# Altium PCB NC1-1A-BASIS.PcbDoc (part 3 of 3)
Units mm, origin at the board's own origin, x right, y up, seen from the top; angles counter-clockwise.
Board outline 78 x 78 mm, 4 copper layers (Top Layer, Mid 1 (GND), Mid 2 (PWR), Bottom Layer), stack 1.586 mm thick; 269 components, 129 nets, 757 pads, 208 vias.
Unrouted connection lines stored in the file: 194.
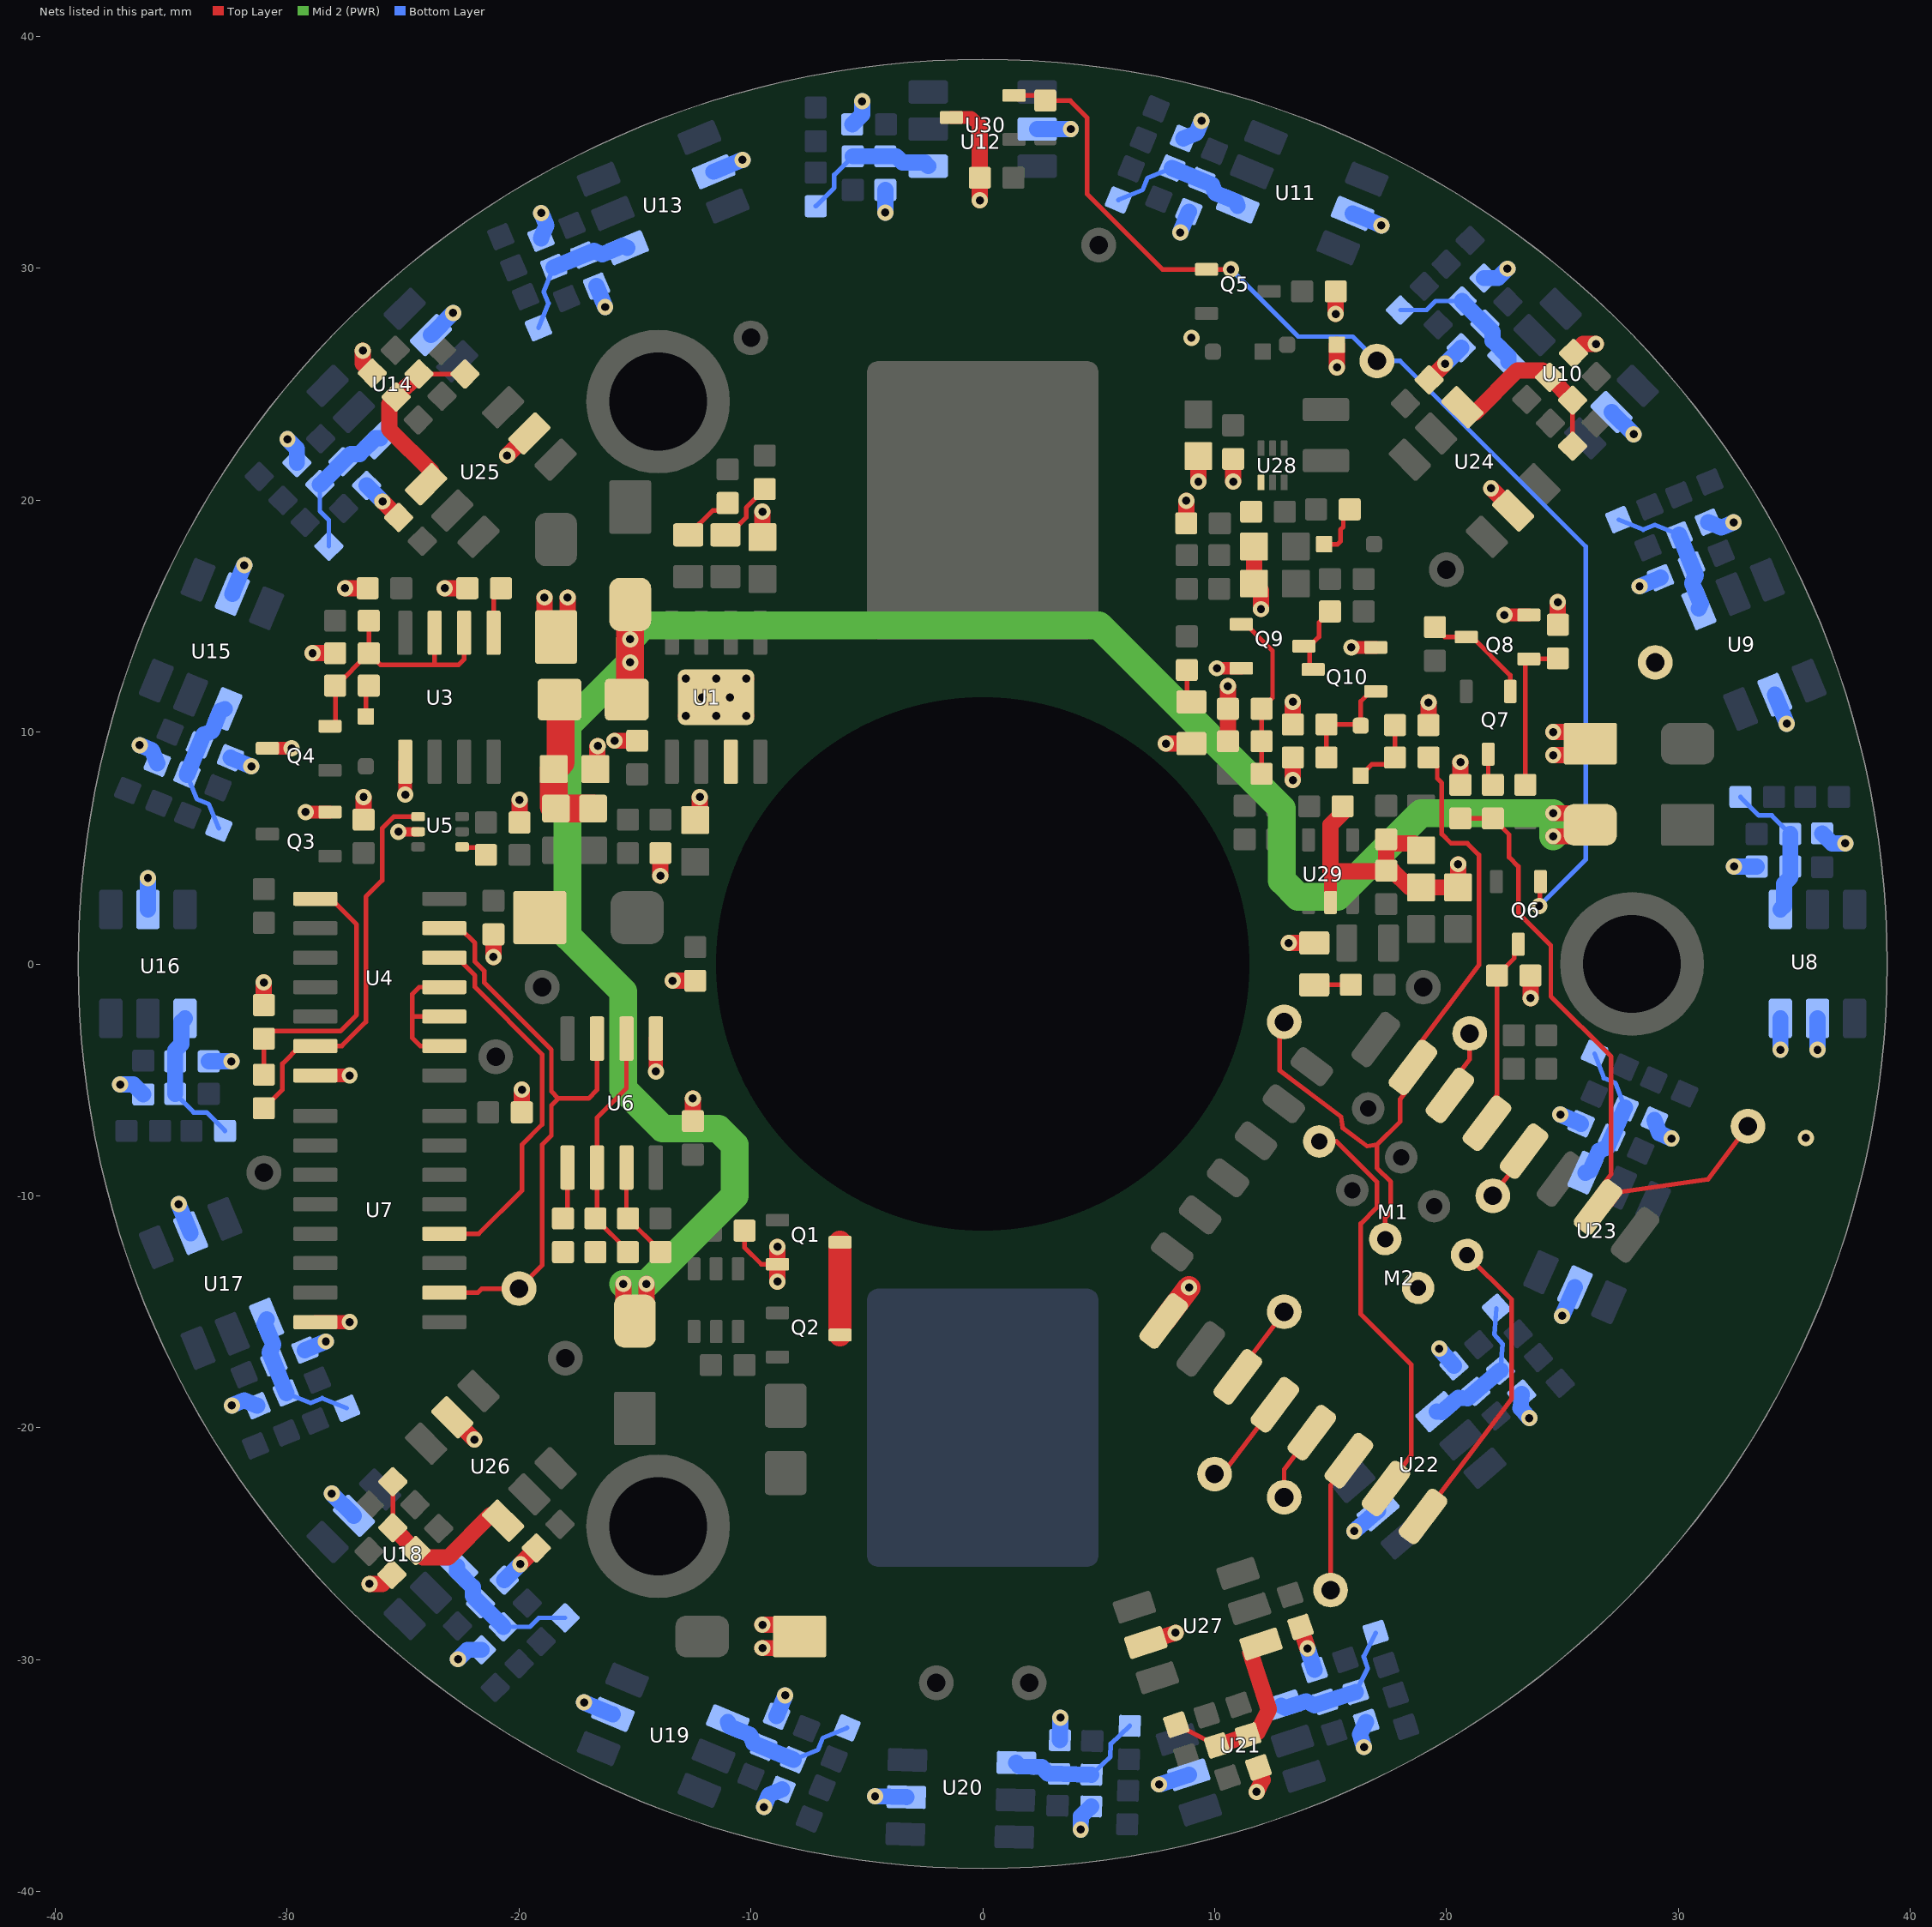
[diagram p5: the nets of this part, all layers, seen from the top]

## Via types
v1: diameter 0.7, hole 0.35, Top Layer to Bottom Layer, tented both sides, 200 vias
v2: diameter 0.7, hole 0.35, Top Layer to Bottom Layer, 8 vias

## Nets (pads, with @x,y where several pads share a name; then routed paths per layer and width w, separated by ;. In a path a pad name is that pad's centre, name@x,y a point inside that pad or via, vN(x,y) a via of type N, cw(c..) or ccw(c..) an arc to the next point about the centre after c; other vN are vias at no path point) (continued)
FS_PULSE: TP13.1 U4.13 U6.3 U7.10 | length 26
  Top Layer w0.2: U7.10@-23.22,-14.175 -21.775,-14.175 -21.6,-14 TP13.1@-20,-14 -19,-13 -19,-7.8 -18.6,-7.4 -18.6,-6.1 -18.3,-5.8 ; U4.13@-23.22,1.54 -22.54,1.54 -21.9,0.9 -21.9,0.1 -21.5,-0.3 -21.5,-0.8 -18.6,-3.7 -18.6,-5.5 -18.3,-5.8 ; U6.3@-16.635,-3.22 -16.635,-5.435 -17,-5.8 -18.3,-5.8
FS_RESET/: U4.12 U7.12 | length 16.6
  Top Layer w0.2: U7.12@-23.22,-11.635 -21.735,-11.635 -19.875,-9.775 -19.875,-7.8 -19,-6.925 -19,-3.9 -21.9,-1 -21.9,-0.5 -22.67,0.27 U4.12@-23.22,0.27
GND: C1.2 C2.2 C3.2 C5.2 C6.2 C7.2 C8.2 C9.2 C10.2 C11.2 C12.2 C13.2 C14.2 C15.2 C16.2 C17.2 C18.2 C19.2 C20.2 C21.2 C22.2 C23.2 C24.2 C25.2 C26.2 C27.2 C28.2 C29.2 C30.2 C31.2 C32.2 C33.2 C34.2 C35.2 C36.2 C37.2 C38.2 C39.2 C40.2 C41.2 C42.2 C43.2 C44.2 C45.2 C46.2 C47.2 C48.2 C49.2 C50.2 C51.2 C52.2 C53.2 C54.2 C56.2 C57.1 C59.1 C60.2 C61.2 C62.2 C63.1 C64.1 C65.2 C66.2 C68.2 C69.2 C71.2 D4.2 D7.2 D8.2 D9.2 D13.2 D14.1 D15.1 M1.1@18.778,-13.969 M2.15 Q1.2 Q3.2 Q4.3 Q8.2 Q9.2 Q10.2 R6.2 R7.2 R8.2 R9.2 R16.1 R83.1 R84.2 R86.2 R92.2 R95.2 R96.2 R97.2 R98.2 R99.2 TP20.1 U1.3 U1.EP U3.1@-24.905,8.72 U4.7 U5.2 U6.1@-14.095,-3.22 U7.8 U8.5 U8.6 U9.5 U10.5 U11.5 U12.5 U13.5 U14.5 U15.5 U16.5 U17.5 U18.5 U19.5 U20.5 U21.5 U22.5 U23.5 U24.5 U25.5 U26.5 U27.5 U28.4 U29.2 U30.3 | length 159.1
  Top Layer w0.2: R9.2@-10.275,-11.5 -10.275,-12.225 -9.55,-12.95 Q1.2@-8.85,-12.95
  Top Layer w0.4: v1(-25.2,5.7) U5.2@-24.35,5.7
  Top Layer w0.55: Q4.3@-30.85,9.3 v1(-29.8,9.3) ; v1(-29.2,6.55) Q3.2@-28.15,6.55 ; U30.3@-1.35,36.5 -0.5,36.5 -0.125,36.125 ; v1(10.1,12.75) Q9.2@11.15,12.75 ; U29.2@15,2.65 15,4 ; v1(15.9,13.65) Q10.2@16.95,13.65 ; v1(22.5,15.05) Q8.2@23.55,15.05
  Top Layer w0.6: U7.8@-28.78,-15.445 v1(-27.3,-15.445) ; U4.7@-28.78,-4.81 v1(-27.3,-4.81) ; v1(-24.905,7.3) U3.1@-24.905,8.72 ; v1(-14.095,-4.64) U6.1@-14.095,-3.22
  Top Layer w0.7: C7.2@-31,-1.775 v1(-31,-0.8) ; v1(-28.9,13.4) C10.2@-27.925,13.4 ; v1(-27.5,16.2) C5.2@-26.525,16.2 ; v1(-26.729,26.446) -26.729,25.88 C50.2@-26.322,25.474 ; R16.1@-26.7,6.225 v1(-26.7,7.2) ; v1(-26.446,-26.729) -25.88,-26.729 C52.2@-25.474,-26.322 ; v1(-25.88,19.94) C49.2@-25.191,19.251 ; v1(-23.2,16.2) C6.2@-22.225,16.2 ; U26.5@-22.875,-19.552 v1(-21.92,-20.506) ; v1(-21.1,0.3) C8.2@-21.1,1.275 ; v1(-20.506,21.92) U25.5@-19.552,22.875 ; C9.2@-19.975,6.1 v1(-19.975,7.075) ; v1(-19.94,-25.88) C51.2@-19.251,-25.191 ; C14.2@-19.875,-6.4 v1(-19.875,-5.425) ; v1(-18.9,15.8) -18.9,14.6 D8.2@-18.4,14.1 -17.9,14.6 v1(-17.9,15.8) ; C1.2@-16.7,8.4 -16.627,8.473 -16.627,9.373 v1(-16.6,9.4) ; v1(-15.875,9.625) R7.2@-14.9,9.625 ; v1(-13.9,3.8) R8.2@-13.9,4.775 ; v1(-13.375,-0.725) R6.2@-12.4,-0.725 ; v2(-12.8,10.7) U1.EP@-12,11.5 ; v2(-12.8,12.3) U1.EP@-12,11.5 ; C13.2@-12.5,-6.775 v1(-12.5,-5.8) ; C3.2@-12.4,6.2 -12.2,6.4 v1(-12.2,7.2) ; v2(-11.5,10.7) U1.EP@-11.5,11.5 ; v2(-11.5,12.3) U1.EP@-11.5,11.5 ; v2(-10.2,10.7) U1.EP@-11,11.5 ; v2(-10.2,12.3) U1.EP@-11,11.5 ; v1(-9.5,-29.5) -8.4,-29.5 D9.2@-7.9,-29 -8.4,-28.5 v1(-9.5,-28.5) ; C2.2@-9.5,18.4 v1(-9.5,19.5) ; v1(-8.85,-13.7) Q1.2@-8.85,-12.95 v1(-8.85,-12.2) ; v1(-0.125,32.925) C68.2@-0.125,33.9 -0.125,36.125 ; U27.5@7.036,-29.258 v1(8.319,-28.841) ; v1(7.9,9.5) D14.1@9,9.5 ; R83.1@8.775,19 v1(8.775,19.975) ; v1(9.3,20.8) C56.2@9.3,21.9 ; R96.2@10.575,9.6 C69.2@10.575,11 v1(10.575,11.975) ; v1(10.8,20.8) C57.1@10.8,21.775 ; C61.2@11.7,18 C60.2@11.7,16.4 12,16.1 v1(12,15.3) ; v1(11.809,-35.698) 12.066,-35.194 C54.2@11.888,-34.647 ; v1(13.2,0.9) D15.1@14.3,0.9 ; v1(13.375,7.925) R99.2@13.375,8.9 ; C71.2@13.375,10.325 v1(13.375,11.3) ; C53.2@13.705,-28.589 v1(14.007,-29.516) ; v1(15.225,28.025) R86.2@15.225,29 ; v1(15.275,25.725) D13.2@15.275,26.7 ; R84.2@15.525,6.8 15.525,6.525 15,6 15,4 C64.1@17.375,4 ; C62.2@18.9,4.9 18.6,5.2 17.575,5.2 C63.1@17.4,5.375 C64.1@17.4,4.025 17.675,4.025 18.4,3.3 C65.2@18.9,3.3 C66.2@20.5,3.3 v1(20.5,4.3) ; R98.2@19.225,10.3 v1(19.225,11.275) ; C47.2@19.251,25.191 v1(19.94,25.88) ; R97.2@20.6,7.725 v1(20.6,8.7) ; v1(21.92,20.506) U24.5@22.875,19.552 ; v1(23.625,-1.475) R92.2@23.625,-0.5 ; v1(24.6,9) 25.7,9 D7.2@26.2,9.5 25.7,10 v1(24.6,10) ; R95.2@24.8,14.625 v1(24.8,15.6) ; C48.2@25.474,26.322 25.88,26.729 v1(26.446,26.729) ; U1.EP@-12,11.5 U1.EP@-11.5,11.5 ; U1.EP@-11.5,11.5 U1.EP@-11,11.5
  Top Layer w1: M2.15@7.805,-15.398 v1(8.895,-13.952)
  Bottom Layer w0.7: v1(-37.2,-5.2) -36.625,-5.2 C31.2@-36.2,-5.625 ; v1(-36.358,9.432) -35.827,9.212 C29.2@-35.597,8.656 ; U16.5@-36,2.35 v1(-36,3.7) ; v1(-34.676,-10.358) U17.5@-34.159,-11.605 ; C32.2@-33.375,-4.2 v1(-32.4,-4.2) ; C30.2@-32.442,8.892 v1(-31.541,8.519) ; v1(-32.378,-19.04) -31.847,-18.82 C33.2@-31.292,-19.05 ; U15.5@-32.36,15.948 v1(-31.844,17.195) ; v1(-29.981,22.627) -29.575,22.221 C27.2@-29.575,21.62 ; C34.2@-29.227,-16.652 v1(-28.326,-16.279) ; v1(-28.072,-22.84) U18.5@-27.118,-23.794 ; C28.2@-26.57,20.63 v1(-25.88,19.94) ; U14.5@-23.794,27.118 v1(-22.84,28.072) ; v1(-22.627,-29.981) -22.221,-29.575 C35.2@-21.62,-29.575 ; C36.2@-20.63,-26.57 v1(-19.94,-25.88) ; C25.2@-19.05,31.292 -18.82,31.847 v1(-19.04,32.378) ; v1(-17.195,-31.844) U19.5@-15.948,-32.36 ; C26.2@-16.652,29.227 v1(-16.279,28.326) ; U13.5@-11.605,34.159 v1(-10.358,34.676) ; v1(-9.432,-36.358) -9.212,-35.827 C37.2@-8.656,-35.597 ; C38.2@-8.892,-32.442 v1(-8.519,-31.541) ; C23.2@-5.625,36.2 -5.2,36.625 v1(-5.2,37.2) ; v1(-4.641,-35.891) U20.5@-3.292,-35.926 ; v1(-4.2,32.4) C24.2@-4.2,33.375 ; U12.5@2.35,36 v1(3.8,36) ; C40.2@3.325,-33.474 v1(3.35,-32.499) ; v1(4.224,-37.323) 4.239,-36.749 C39.2@4.675,-36.335 ; v1(7.606,-35.381) U21.5@8.89,-34.964 ; v1(8.519,31.541) C22.2@8.892,32.442 ; C21.2@8.656,35.597 9.212,35.827 v1(9.432,36.358) ; v1(14.007,-29.516) C42.2@14.308,-30.444 ; U11.5@15.948,32.36 v1(17.195,31.844) ; v1(16.02,-24.455) U22.5@17.047,-23.578 ; v1(16.441,-33.772) 16.263,-33.226 C41.2@16.536,-32.69 ; v1(19.69,-16.587) C44.2@20.323,-17.328 ; v1(19.94,25.88) C20.2@20.63,26.57 ; C19.2@21.62,29.575 22.221,29.575 v1(22.627,29.981) ; C43.2@23.241,-18.551 23.194,-19.15 v1(23.567,-19.587) ; v1(24.912,-6.494) C46.2@25.803,-6.891 ; v1(24.988,-15.175) U23.5@25.537,-13.942 ; U10.5@27.118,23.794 v1(28.072,22.84) ; v1(28.326,16.279) C18.2@29.227,16.652 ; C45.2@28.963,-6.738 29.179,-7.299 v1(29.704,-7.533) ; C17.2@31.292,19.05 31.847,18.82 v1(32.378,19.04) ; v1(32.4,4.2) C16.2@33.375,4.2 ; U9.5@34.159,11.605 v1(34.676,10.358) ; v1(34.4,-3.7) U8.6@34.4,-2.35 ; v1(36,-3.7) U8.5@36,-2.35 ; C15.2@36.2,5.625 36.625,5.2 v1(37.2,5.2)
  other v1: 35.5,-7.5 9,27
  other v2: -12.1,11.5 -10.9,11.5
GPIO0: M2.18 TP5.1 | length 4.1
  Top Layer w0.2: TP5.1@10,-22 10.383,-21.946 M2.18@12.597,-19.009
GPIO2: M2.17 TP6.1 | length 3.5
  Top Layer w0.2: M2.17@11,-17.805 10.982,-17.678 TP6.1@13,-15
GPIO4: M2.19 TP7.1 | length 3.2
  Top Layer w0.2: TP7.1@13,-23 13,-21.797 M2.19@14.194,-20.212
GPIO5: M2.20 TP8.1 | length 5.8
  Top Layer w0.2: TP8.1@15,-27 15,-22.466 M2.20@15.791,-21.416
GPIO14: M2.6 TP9.1 | length 3
  Top Layer w0.2: M2.6@20.147,-5.666 20.098,-5.316 21,-4.119 TP9.1@21,-3
GPIO16: M2.4 TP10.1 | length 2.4
  Top Layer w0.2: TP10.1@22,-10 23.359,-8.196 M2.4@23.342,-8.073
HALL: M2.5 Q6.3 R92.1 | length 8.3
  Top Layer w0.2: M2.5@21.744,-6.869 21.668,-6.323 22.175,-5.65 R92.1@22.175,-0.5 22.925,0.25 22.925,0.675 Q6.3@23.1,0.85
HALL/: Q5.1@9.65,29.95 Q6.1@24.05,3.55 R82.2 TP19.1 U30.2 | length 52
  Top Layer w0.2: U30.2@1.35,37.45 2.475,37.45 R82.2@2.7,37.225 3.775,37.225 4.5,36.5 4.5,33.2 7.75,29.95 Q5.1@9.65,29.95 v1(10.7,29.95) ; v1(24,2.5) 24.025,2.525 24.025,3.525 Q6.1@24.05,3.55
  Bottom Layer w0.2: v1(10.7,29.95) 13.6,27.05 15.95,27.05 TP19.1@17,26 18,26 26,18 26,4.5 v1(24,2.5)
KILL: C70.1 M1.2 M2.7 TP3.1 | length 31.8
  Top Layer w0.2: TP3.1@13,-2.5 12.8,-2.7 12.8,-4.596 15.458,-6.598 15.523,-7.067 16.575,-7.86 17,-7.8 ; M1.2@17.357,-11.863 17.357,-10.943 17.6,-10.7 17.6,-9.4 17,-8.8 17,-7.8 ; C70.1@19.225,8.9 19.6,8.525 19.6,8 19.8,7.8 19.8,5.6 20.2,5.2 20.9,5.2 21.4,4.7 21.4,-0.05 18.475,-3.931 M2.7@18.55,-4.462 18.625,-4.997 18,-5.827 18,-6.8 17,-7.8
NetC1_1: C1.1 F1.2 R1.1 R2.1 | length 6.5
  Top Layer w1.2: F1.2@-18.25,11.4 -18.25,11.15 -18.2,11.1 -18.2,8.7 C1.1@-18.5,8.4 -18.5,6.8 R1.1@-18.4,6.7 R2.1@-16.8,6.7
NetC6_1: C6.1 U3.5 | length 2.1
  Top Layer w0.2: U3.5@-21.095,14.28 -21.095,15.88 C6.1@-20.775,16.2
NetC7_1: C7.1 R15.2 U4.1@-28.78,2.81 | length 12.1
  Top Layer w0.2: R15.2@-31,-4.775 C7.1@-31,-3.225 -30.675,-2.9 -27.7,-2.9 -27,-2.2 -27,1.7 -28.11,2.81 U4.1@-28.78,2.81
NetC10_1: C10.1 Q4.2 R13.2 R14.2 U3.6 U3.7 | length 12.3
  Top Layer w0.2: Q4.2@-28.15,10.25 -28.088,10.25 -27.913,10.425 -27.913,11.988 R14.2@-27.925,12 ; R14.2@-27.925,11.95 C10.1@-26.475,13.4 ; R13.2@-26.475,14.8 C10.1@-26.475,13.4 ; U3.7@-23.635,14.28 -23.635,12.9 ; U3.6@-22.365,14.28 -22.365,13.135 -22.6,12.9 -23.635,12.9 ; C10.1@-26.475,13.4 -25.975,12.9 -23.635,12.9
NetC11_1: C11.1 R19.2 U6.2 U6.6 | length 10.3
  Top Layer w0.2: U6.2@-15.365,-3.22 -15.365,-5.365 -16.635,-6.635 U6.6@-16.635,-8.78 -16.635,-10.91 C11.1@-16.7,-10.975 -15.3,-12.375 R19.2@-15.3,-12.425
NetC12_1: C12.1 U6.5 | length 2.3
  Top Layer w0.2: C12.1@-18.1,-10.975 -17.905,-10.78 U6.5@-17.905,-8.78
NetC16_1: C16.1 R20.2 R21.1 U8.1@34.4,2.35 | length 6.2
  Bottom Layer w0.2: R21.1@32.675,7.2 33.475,6.4 34.025,6.4 R20.2@34.825,5.6
  Bottom Layer w0.7: U8.1@34.4,2.35 34.55,2.5 34.55,3.45 34.825,3.725 R20.2@34.825,5.6
NetC18_1: C18.1 R23.2 R24.1 U9.1@30.882,15.335 | length 6.2
  Bottom Layer w0.2: R24.1@27.432,19.156 28.478,18.723 28.986,18.934 R23.2@30.031,18.501
  Bottom Layer w0.7: R23.2@30.031,18.501 30.749,16.768 30.6,16.409 30.963,15.531 U9.1@30.882,15.335
NetC20_1: C20.1 R26.2 R27.1 U10.1@22.663,25.986 | length 6.2
  Bottom Layer w0.2: R27.1@18.014,28.196 19.145,28.196 19.534,28.585 R26.2@20.665,28.585
  Bottom Layer w0.7: R26.2@20.665,28.585 21.991,27.259 21.991,26.87 22.663,26.198 U10.1@22.663,25.986
NetC22_1: C22.1 R29.2 R30.1 U11.1@10.993,32.681 | length 6.2
  Bottom Layer w0.2: R30.1@5.852,32.943 6.898,33.376 7.108,33.884 R29.2@8.153,34.317
  Bottom Layer w0.7: R29.2@8.153,34.317 9.885,33.6 10.034,33.24 10.912,32.877 U11.1@10.993,32.681
NetC24_1: C24.1 R32.2 R33.1 U12.1@-2.35,34.4 | length 6.2
  Bottom Layer w0.2: R33.1@-7.2,32.675 -6.4,33.475 -6.4,34.025 R32.2@-5.6,34.825
  Bottom Layer w0.7: R32.2@-5.6,34.825 -3.725,34.825 -3.45,34.55 -2.5,34.55 U12.1@-2.35,34.4
NetC26_1: C26.1 R35.2 R36.1 U13.1@-15.335,30.882 | length 6.2
  Bottom Layer w0.2: R36.1@-19.156,27.432 -18.723,28.478 -18.934,28.986 R35.2@-18.501,30.031
  Bottom Layer w0.7: R35.2@-18.501,30.031 -16.768,30.749 -16.409,30.6 -15.531,30.963 U13.1@-15.335,30.882
NetC28_1: C28.1 R38.2 R39.1 U14.1@-25.986,22.663 | length 6.2
  Bottom Layer w0.2: R38.2@-28.585,20.665 -28.585,19.534 -28.196,19.145 R39.1@-28.196,18.014
  Bottom Layer w0.7: R38.2@-28.585,20.665 -27.259,21.991 -26.87,21.991 -26.198,22.663 U14.1@-25.986,22.663
NetC30_1: C30.1 R41.2 R42.1 U15.1@-32.681,10.993 | length 6.2
  Bottom Layer w0.2: R41.2@-34.317,8.153 -33.884,7.108 -33.376,6.898 R42.1@-32.943,5.852
  Bottom Layer w0.7: R41.2@-34.317,8.153 -33.6,9.885 -33.24,10.034 -32.877,10.912 U15.1@-32.681,10.993
NetC32_1: C32.1 R44.2 R45.1 U16.1@-34.4,-2.35 | length 6.2
  Bottom Layer w0.2: R44.2@-34.825,-5.6 -34.025,-6.4 -33.475,-6.4 R45.1@-32.675,-7.2
  Bottom Layer w0.7: R44.2@-34.825,-5.6 -34.825,-3.725 -34.55,-3.45 -34.55,-2.5 U16.1@-34.4,-2.35
NetC34_1: C34.1 R47.2 R48.1 U17.1@-30.882,-15.335 | length 6.2
  Bottom Layer w0.2: R47.2@-30.031,-18.501 -28.986,-18.934 -28.478,-18.723 R48.1@-27.432,-19.156
  Bottom Layer w0.7: U17.1@-30.882,-15.335 -30.963,-15.531 -30.6,-16.409 -30.749,-16.768 R47.2@-30.031,-18.501
NetC36_1: C36.1 R50.2 R51.1 U18.1@-22.663,-25.986 | length 6.2
  Bottom Layer w0.2: R50.2@-20.665,-28.585 -19.534,-28.585 -19.145,-28.196 R51.1@-18.014,-28.196
  Bottom Layer w0.7: U18.1@-22.663,-25.986 -22.663,-26.198 -21.991,-26.87 -21.991,-27.259 R50.2@-20.665,-28.585
NetC38_1: C38.1 R53.2 R54.1 U19.1@-10.993,-32.681 | length 6.2
  Bottom Layer w0.2: R53.2@-8.153,-34.317 -7.108,-33.884 -6.898,-33.376 R54.1@-5.852,-32.943
  Bottom Layer w0.7: U19.1@-10.993,-32.681 -10.912,-32.877 -10.034,-33.24 -9.885,-33.6 R53.2@-8.153,-34.317
NetC40_1: C40.1 R56.2 R57.1 U20.1@1.449,-34.45 | length 6.2
  Bottom Layer w0.2: R56.2@4.686,-34.96 5.507,-34.181 5.522,-33.631 R57.1@6.342,-32.852
  Bottom Layer w0.7: U20.1@1.449,-34.45 1.595,-34.604 2.544,-34.628 2.812,-34.911 R56.2@4.686,-34.96
NetC42_1: C42.1 R59.2 R60.1 U21.1@12.865,-31.99 | length 6.2
  Bottom Layer w0.2: R59.2@16.087,-31.39 16.601,-30.382 16.431,-29.859 R60.1@16.945,-28.851
  Bottom Layer w0.7: U21.1@12.865,-31.99 13.054,-32.086 13.958,-31.793 14.304,-31.969 R59.2@16.087,-31.39
NetC44_1: C44.1 R62.2 R63.1 U22.1@19.582,-19.309 | length 6.2
  Bottom Layer w0.2: R63.1@22.15,-14.847 22.061,-15.975 22.418,-16.394 R62.2@22.329,-17.521
  Bottom Layer w0.7: U22.1@19.582,-19.309 19.793,-19.326 20.516,-18.709 20.903,-18.739 C44.1@21.265,-18.431 R62.2@22.329,-17.521
NetC46_1: C46.1 R65.2 R66.1 U23.1@25.987,-8.998 | length 6.2
  Bottom Layer w0.2: R66.1@26.384,-3.865 26.789,-4.922 27.292,-5.145 R65.2@27.697,-6.202
  Bottom Layer w0.7: U23.1@25.987,-8.998 26.185,-8.922 26.571,-8.054 26.935,-7.914 R65.2@27.697,-6.202
NetC48_1: C48.1 R68.2 R69.1 U24.1@20.683,24.006 | length 8.1
  Top Layer w0.2: R69.1@25.438,22.327 25.438,22.857 R68.2@25.438,24.307
  Top Layer w0.7: U24.1@20.683,24.006 20.93,23.759 21.213,23.759 23.052,25.597 24.148,25.597 C48.1@24.448,25.297 R68.2@25.438,24.307
NetC50_1: C50.1 R71.2 R72.1 U25.1@-24.006,20.683 | length 8.1
  Top Layer w0.2: R71.2@-24.307,25.438 -22.857,25.438 R72.1@-22.327,25.438
  Top Layer w0.7: R71.2@-24.307,25.438 C50.1@-25.297,24.448 -25.597,24.148 -25.597,23.052 -23.759,21.213 -23.759,20.93 U25.1@-24.006,20.683
NetC52_1: C52.1 R74.2 R75.1 U26.1@-20.683,-24.006 | length 8.1
  Top Layer w0.2: R74.2@-25.438,-24.307 -25.438,-22.857 R75.1@-25.438,-22.327
  Top Layer w0.7: R74.2@-25.438,-24.307 C52.1@-24.448,-25.297 -24.148,-25.597 -23.052,-25.597 -21.213,-23.759 -20.93,-23.759 U26.1@-20.683,-24.006
NetC54_1: C54.1 R77.2 R78.1 U27.1@12,-29.327 | length 8.1
  Top Layer w0.2: R78.1@8.345,-32.802 8.817,-33.043 R77.2@10.109,-33.701
  Top Layer w0.7: R77.2@10.109,-33.701 C54.1@11.44,-33.268 11.845,-33.137 12.342,-32.16 11.539,-29.687 11.667,-29.435 U27.1@12,-29.327
NetC69_1: C69.1 Q9.1@11.15,14.65 R94.2 R96.1 | length 7.3
  Top Layer w0.2: Q9.1@11.15,14.65 11.35,14.65 12.5,13.5 12.5,11.475 C69.1@12.025,11 R96.1@12.025,9.6 R94.2@12.025,8.2
NetC70_2: C70.2 D16.2 R98.1 | length 3.2
  Top Layer w0.2: D16.2@16.3,8.125 16.775,8.6 17.475,8.6 C70.2@17.775,8.9 R98.1@17.775,10.3
NetC71_1: C71.1 D16.1 Q10.1@16.95,11.75 R99.1 | length 4.8
  Top Layer w0.2: R99.1@14.825,8.9 C71.1@14.825,10.325 16.25,10.325 D16.1@16.3,10.275 16.3,11.325 16.725,11.75 Q10.1@16.95,11.75
NetD1_1: D1.1 D2.1 D3.1 F1.1 | length 96.4
  Top Layer w0.7: v1(-15.5,-13.8) -15.5,-14.9 D3.1@-15,-15.4 -14.5,-14.9 v1(-14.5,-13.8) ; v1(24.6,5.5) 25.7,5.5 D1.1@26.2,6 25.7,6.5 v1(24.6,6.5)
  Top Layer w1.2: F1.1@-15.35,11.4 -15.2,11.55 v1(-15.2,13) v1(-15.2,14) D2.1@-15.2,15.5
  Mid 2 (PWR) w1.2: v1(-15.5,-13.8) v1(-14.5,-13.8) -10.7,-10 -10.7,-7.803 -11.403,-7.1 -13.8,-7.1 -15.5,-5.4 -15.5,-1.2 -17.9,1.2 -17.9,10.3 v1(-15.2,13) v1@-15.2,13.897 ; v1(-15.2,14) -14.6,14.6 5,14.6 12.9,6.7 12.9,3.6 13.6,2.9 15.3,2.9 18.9,6.5 v1(24.6,6.5) v1(24.6,5.5)
NetD5_2: D5.2 R3.2 | length 2.8
  Top Layer w0.2: D5.2@-11.1,18.5 -10.95,18.5 -10.2,19.25 -10.2,19.675 R3.2@-9.4,20.475
NetD6_2: D6.2 R4.2 | length 2.3
  Top Layer w0.2: D6.2@-12.7,18.5 -11.65,19.55 -11.325,19.55 R4.2@-11,19.875
NetD10_2: D10.2 R14.1 | length 1.4
  Top Layer w0.2: D10.2@-26.6,10.675 -26.6,11.875 R14.1@-26.475,12
NetD12_2: D12.2 R85.1 | length 2.3
  Top Layer w0.2: D12.2@14.725,18.1 15.308,18.1 15.425,18.217 15.425,18.725 15.55,18.85 15.55,19.325 R85.1@15.825,19.6
NetD14_2: D14.2 R88.2 | length 1.5
  Top Layer w0.2: R88.2@8.8,12.675 8.815,12.66 8.815,11.515 8.8,11.5 D14.2@9,11.3
NetD15_2: D15.2 R89.2 | length 1.6
  Top Layer w0.2: D15.2@14.3,-0.9 R89.2@15.875,-0.9
NetQ1_3: Q1.3 Q2.3 | length 4
  Top Layer w1: Q2.3@-6.15,-16 Q1.3@-6.15,-12
NetQ7_1: Q7.1@22.75,11.75 Q8.3 R91.2 | length 4.8
  Top Layer w0.2: R91.2@19.5,14.525 19.925,14.1 Q8.3@20.85,14.1 21.1,14.1 22.75,12.45 Q7.1@22.75,11.75
NetQ7_3: Q7.3 R93.1 | length 1.4
  Top Layer w0.2: Q7.3@21.8,9.05 21.8,7.925 R93.1@22,7.725
NetQ8_1: Q8.1@23.55,13.15 R90.2 R95.1 | length 6.7
  Top Layer w0.2: R90.2@23.4,7.725 23.4,13 Q8.1@23.55,13.15 24.775,13.15 R95.1@24.8,13.175
NetQ9_3: Q9.3 Q10.3 R87.2 | length 3.3
  Top Layer w0.2: Q10.3@14.25,12.7 14.1,12.85 14.1,13.45 Q9.3@13.85,13.7 14.1,13.7 14.5,14.1 14.5,14.725 R87.2@14.975,15.2
NetR15_1: R15.1 U4.6 U5.1@-24.35,6.35 | length 17
  Top Layer w0.2: R15.1@-31,-6.225 -30.2,-5.425 -30.2,-4.3 -29.44,-3.54 U4.6@-28.78,-3.54 -27.64,-3.54 -26.6,-2.5 -26.6,2.9 -25.9,3.6 -25.9,5.849 -25.399,6.35 U5.1@-24.35,6.35
NetR17_2: R17.2 R19.1 U6.7 | length 4.3
  Top Layer w0.2: U6.7@-15.365,-8.78 -15.365,-10.91 R19.1@-15.3,-10.975 -13.9,-12.375 R17.2@-13.9,-12.425
NetR18_1: R18.1 U5.4 | length 1.2
  Top Layer w0.2: U5.4@-22.45,5.05 -22.415,5.015 -21.74,5.015 R18.1@-21.425,4.7
NetU4_9: U4.9 U4.10 U4.11 | length 6.3
  Top Layer w0.2: U4.9@-23.22,-3.54 -24.26,-3.54 -24.6,-3.2 -24.6,-2.27 ; U4.10@-23.22,-2.27 -24.6,-2.27 ; U4.11@-23.22,-1 -24.3,-1 -24.6,-1.3 -24.6,-2.27
RXD: M1.4 M2.21 | length 18
  Top Layer w0.2: M1.4@14.517,-7.652 15.252,-7.652 17,-9.4 17,-10.5 16.3,-11.2 16.3,-15.1 18.478,-17.278 18.478,-21.174 M2.21@17.389,-22.62
TXD: M1.5 M2.22 | length 13.3
  Top Layer w0.2: M2.22@18.986,-23.823 22.8,-18.762 22.8,-14.465 M1.5@20.883,-12.548
VBAT_MON: M2.2 R93.2 R97.1 TP21.1 | length 28.4
  Top Layer w0.2: R97.1@20.6,6.275 R93.2@22,6.275 22.7,5.575 22.7,4.6 23.1,4.2 23.1,2.2 24.5,0.8 24.5,-1.4 27.1,-4 27.1,-9.073 26.458,-9.924 M2.2@26.536,-10.48 27.094,-10.402 27.531,-9.822 31.269,-9.297 TP21.1@33,-7
pads on no net: BAT1.M15 M1.1@18.088,-15.146 M2.9 M2.10 M2.11 M2.12 M2.13 M2.14 MOUSE1.0 MOUSE2.0 MOUSE3.0 MOUSE4.0 MOUSE5.0 MOUSE6.0 MOUSE7.0 MOUSE8.0 Q1.1@-9.1,-10.4 Q2.1@-9.1,-14.4 Q3.1@-27.9,4 Q4.1@-27.9,7.7 Q5.1@9.4,30.6 Q6.1@24.7,3.8 Q7.1@23.4,12 Q8.1@23.8,12.5 Q9.1@10.9,15.3 Q10.1@17.2,11.1 U1.1@-14.2,9 U2.1@-9.9,-12.9 U2.4 U3.1@-25.7,9 U4.1@-28.5,3.605 U5.1@-24.3,6.9 U6.1@-13.3,-3.5 U7.1 U7.2 U7.3 U7.4 U7.5 U7.6 U7.7 U7.9 U7.13 U7.14 U7.15 U8.1@33.3,2.5 U9.1@29.808,15.053 U10.1@21.779,25.314 U11.1@10.434,31.722 U12.1@-2.5,33.3 U13.1@-15.053,29.808 U14.1@-25.314,21.779 U15.1@-31.722,10.434 U16.1@-33.3,-2.5 U17.1@-29.808,-15.053 U18.1@-21.779,-25.314 U19.1@-10.434,-31.722 U20.1@1.627,-33.354 U21.1@12.668,-30.898 U22.1@18.982,-18.375 U23.1@25.043,-8.413 U24.1@21.355,24.89 U25.1@-24.89,21.355 U26.1@-21.355,-24.89 U27.1@12.482,-30.327 U28.1@13.4,22.2 U29.1@13.4,2.4 U30.1@1.6,34.9

## Polygon pours and split planes (outlines as drawn)
+5V2 on Mid 2 (PWR) "+5V2_L03_P018" (solid, remove dead copper, pour order 18): 0,38.5 ccw(c0,0) -38.5,0 ccw(c0,0) 0,-38.5 ccw(c0,0) 38.5,0 ccw(c0,0)
+3V3 on Mid 2 (PWR) "+3V3_L03_P011" (solid, remove dead copper, pour order 11): 8.485,-8.485 11,-11 18,-11 24.7,-4.3 24.7,6.3 24,7 23,7 22,6 14,6 10,10 8.485,8.485 cw(c0,0)
GND on Bottom Layer "GND_L04_P019" (solid, remove dead copper, pour order 19): 0,38.5 ccw(c0,0) -38.5,0 ccw(c0,0) 0,-38.5 ccw(c0,0) 38.5,0 ccw(c0,0)
GND on Bottom Layer "GND_L04_P015" (solid, remove dead copper, pour order 15): 38.5,0 ccw(c0,0) 0,38.5 ccw(c0,0) -38.5,0 ccw(c0,0) 0,-38.5 ccw(c0,0) 38.5,0 12,0 cw(c0,0) 0,-12 cw(c0,0) -12,0 cw(c0,0) 0,12 cw(c0,0) 12,0
GND on Mid 1 (GND) "GND_L02_P014" (solid, remove dead copper, pour order 14): 0,38.5 ccw(c0,0) -38.5,0 ccw(c0,0) 0,-38.5 ccw(c0,0) 38.5,0 ccw(c0,0)
GND on Top Layer "GND_L01_P017" (solid, remove dead copper, pour order 17): 0,38.5 ccw(c0,0) -38.5,0 ccw(c0,0) 0,-38.5 ccw(c0,0) 38.5,0 ccw(c0,0)

## Keep-outs
Top Layer:
  lines w0.2: -8,15.7 -8,14 ccw(c-5,14) -5,11 -4.3,11 ; -8,17.5 -8,26 cw(c-5,26) -5,29 5,29 cw(c5,26) 8,26 8,24.6 ; 4.3,11 5,11 ccw(c5,14) 8,14 8,22.8
Bottom Layer:
  lines w0.2: -4.3,-11 -5,-11 ccw(c-5,-14) -8,-14 -8,-26 ccw(c-5,-26) -5,-29 5,-29 ccw(c5,-26) 8,-26 8,-14 ccw(c5,-14) 5,-11 4.3,-11

## Other copper
Top Layer:
  pour cut-out: 0,12 ccw(c0,0) -12,0 ccw(c0,0) 0,-12 ccw(c0,0) 12,0 ccw(c0,0)
  region net +VBAT: 8.7,24.24 8.7,23.16 ccw(c8.76,23.16) 8.76,23.1 9.575,23.1 cw(c9.575,22) 10.353,22.778 ccw(c10.42,22.845) 10.42,22.75 11.638,22.75 cw(c11.638,22.537) 11.85,22.537 11.85,21.943 ccw(c11.888,21.943) 11.888,21.905 12.113,21.905 ccw(c12.113,21.943) 12.15,21.943 12.15,23.1 cw(c12.7,23.1) 12.7,23.65 12.738,23.65 cw(c12.738,23.138) 13.1,23.5 ccw(c13.341,23.741) 13.341,23.4 15.7,23.4 ccw(c15.7,23.5) 15.8,23.5 15.8,24.3 ccw(c15.7,24.3) 15.7,24.4 14.183,24.4 cw(c14.183,25.083) 13.7,24.6 ccw(c13.217,24.117) 13.217,24.8 9.967,24.8 ccw(c9.967,23.033) 8.718,24.282 ccw(c8.76,24.24) 8.7,24.24
  region net +5V2: 12.85,21.057 cw(c12.887,21.057) 12.888,21.095 13.112,21.095 cw(c13.112,21.058) 13.15,21.057 13.15,20.825 ccw(c14.25,20.825) 13.472,20.047 cw(c13.405,19.98) 13.5,19.98 13.5,19.22 ccw(c13.79,19.22) 13.585,19.015 13.801,18.799 ccw(c14.04,19.038) 14.04,18.7 cw(c14.04,18.64) 14.1,18.64 14.1,15.86 cw(c14.04,15.86) 14.04,15.8 12.96,15.8 cw(c12.96,15.86) 12.9,15.86 12.9,18.375 ccw(c11.8,18.375) 12.578,19.153 cw(c12.645,19.22) 12.55,19.22 12.55,19.98 cw(c12.645,19.98) 12.578,20.047 12.793,20.262 ccw(c12.655,20.4) 12.85,20.4
  region net 5V2_SW: 12.35,20.462 ccw(c12.388,20.462) 12.388,20.425 12.612,20.425 ccw(c12.612,20.462) 12.65,20.462 12.65,21.15 cw(c12.8,21.15) 12.8,21.3 13.204,21.3 cw(c13.204,21.129) 13.325,21.25 ccw(c13.446,21.371) 13.446,21.2 15.7,21.2 ccw(c15.7,21.3) 15.8,21.3 15.8,22.1 ccw(c15.7,22.1) 15.7,22.2 13.9,22.2 ccw(c13.9,22.1) 13.829,22.171 13.541,21.883 cw(c13.1,22.324) 13.1,21.7 12.641,21.7 ccw(c12.641,21.359) 12.4,21.6 ccw(c12.521,21.479) 12.35,21.479
  region net GND: 8.7,22.44 cw(c8.76,22.44) 8.76,22.5 9.84,22.5 cw(c9.84,22.44) 9.882,22.482 9.899,22.466 ccw(c10.42,22.987) 10.42,22.25 11.18,22.25 cw(c11.18,22.155) 11.247,22.222 11.965,21.505 cw(c11.518,21.058) 12.15,21.057 12.15,20.462 cw(c12.113,20.462) 12.139,20.436 ccw(c12.354,20.221) 12.05,20.221 12.05,19.22 ccw(c12.787,19.22) 12.266,18.699 12.282,18.682 cw(c12.24,18.64) 12.3,18.64 12.3,15.96 cw(c12.24,15.96) 12.24,15.9 11.16,15.9 cw(c11.16,15.96) 11.1,15.96 11.1,21 ccw(c10.8,21) 10.8,21.3 8.76,21.3 cw(c8.76,21.36) 8.7,21.36
Mid 1 (GND):
  pour cut-out: 0,12 ccw(c0,0) -12,0 ccw(c0,0) 0,-12 ccw(c0,0) 12,0 ccw(c0,0)
  region net GND: -13,13 ccw(c-13,12.5) -13.5,12.5 -13.5,10.5 ccw(c-13,10.5) -13,10 -10,10 ccw(c-10,10.5) -9.5,10.5 -9.5,12.5 ccw(c-10,12.5) -10,13
Mid 2 (PWR):
  pour cut-out: 0,12 ccw(c0,0) -12,0 ccw(c0,0) 0,-12 ccw(c0,0) 12,0 ccw(c0,0)
  region net GND: -13,13 ccw(c-13,12.5) -13.5,12.5 -13.5,10.5 ccw(c-13,10.5) -13,10 -10,10 ccw(c-10,10.5) -9.5,10.5 -9.5,12.5 ccw(c-10,12.5) -10,13
Bottom Layer:
  pour cut-out: 0,12 ccw(c0,0) -12,0 ccw(c0,0) 0,-12 ccw(c0,0) 12,0 ccw(c0,0)
  region net GND: -13,13 ccw(c-13,12.5) -13.5,12.5 -13.5,10.5 ccw(c-13,10.5) -13,10 -10,10 ccw(c-10,10.5) -9.5,10.5 -9.5,12.5 ccw(c-10,12.5) -10,13

## Silkscreen, mask and mechanical layers (free items; w line width, h text height)
Top Overlay:
  text "+" at -2.111,25.848 h10
Bottom Overlay:
  text "+VBAT" at 3.5,30.359 h2
  text "+5V_CHG" at -5,28.526 h2
  text "HALL/" at 15.5,25.359 h2
  text "+5V2" at 25.54,16.368 h2
  text "GND" at 27.5,12.359 h2
  text "+3V3" at 18.368,0.5 h2 r270
  text "KILL" at 12.359,-1 h2 r270
  text "GPIO14" at 20.359,-1.5 h2 r270
  text "DATA" at -20.5,-1.641 h2
  text "FS_ACT" at -22.5,-4.474 h2
  text "VBAT_MON" at 31.573,-5.498 h1.8 r270
  text "GPIO16" at 22.859,-9 h2 r270
  text "FS_DATA" at -21.584,-9.474 h2
  text "GPIO2" at 12.359,-13.5 h2 r270
  text "FS_PULSE" at -9.586,-14.474 h2
  text "DATA_FAILSAFE" at -10.503,-19.974 h2
  text "GPIO0" at 9.359,-20.5 h2 r270
  text "GPIO4" at 12.359,-21.5 h2 r270
  text "GPIO5" at 13.5,-27.641 h2
  text "-" at 1.217,-31.319 h10
  text "D20" at -3.5,-31.632 h2
  text "B20" at 6.47,-31.632 h2
Board:
  lines w0.1: -35.697,-15.707 cw(c0,0) -35.697,15.707 ; -28.172,-26.969 ccw(c0,0) -26.969,-28.172 ; -28.172,26.969 cw(c0,0) -26.969,28.172 ; -15.707,-35.697 ccw(c0,0) 15.707,-35.697 ; -15.707,35.697 cw(c0,0) 15.707,35.697 ; 26.969,-28.172 ccw(c0,0) 28.172,-26.969 ; 26.969,28.172 cw(c0,0) 28.172,26.969 ; 35.697,-15.707 ccw(c0,0) 35.697,15.707

## Dimensions
0,0 to 14,0 on Dimensions
27.577,27.577 to 32,-31 on Dimensions

## Text inside footprints (layer, text, board x,y; h text height)
BAT1: Board "CUTOUT" at -10.999,-1.922 h6
?: Top Overlay "JLCJLCJLCJLC" at 7.584,-25.519 h1.2 r90